# Altium PCB MC21R01.PcbDoc (part 2 of 5)
Units mm, origin at the board's own origin, x right, y up, seen from the top; angles counter-clockwise.
Board outline 100 x 50 mm, 8 copper layers (Top Layer, Layer 2, Layer 3, Layer 4, Layer 5, Layer 6, Layer 7, Bottom Layer), stack 1.724 mm thick; 414 components, 332 nets, 1863 pads, 665 vias.
Unrouted connection lines stored in the file: 196.
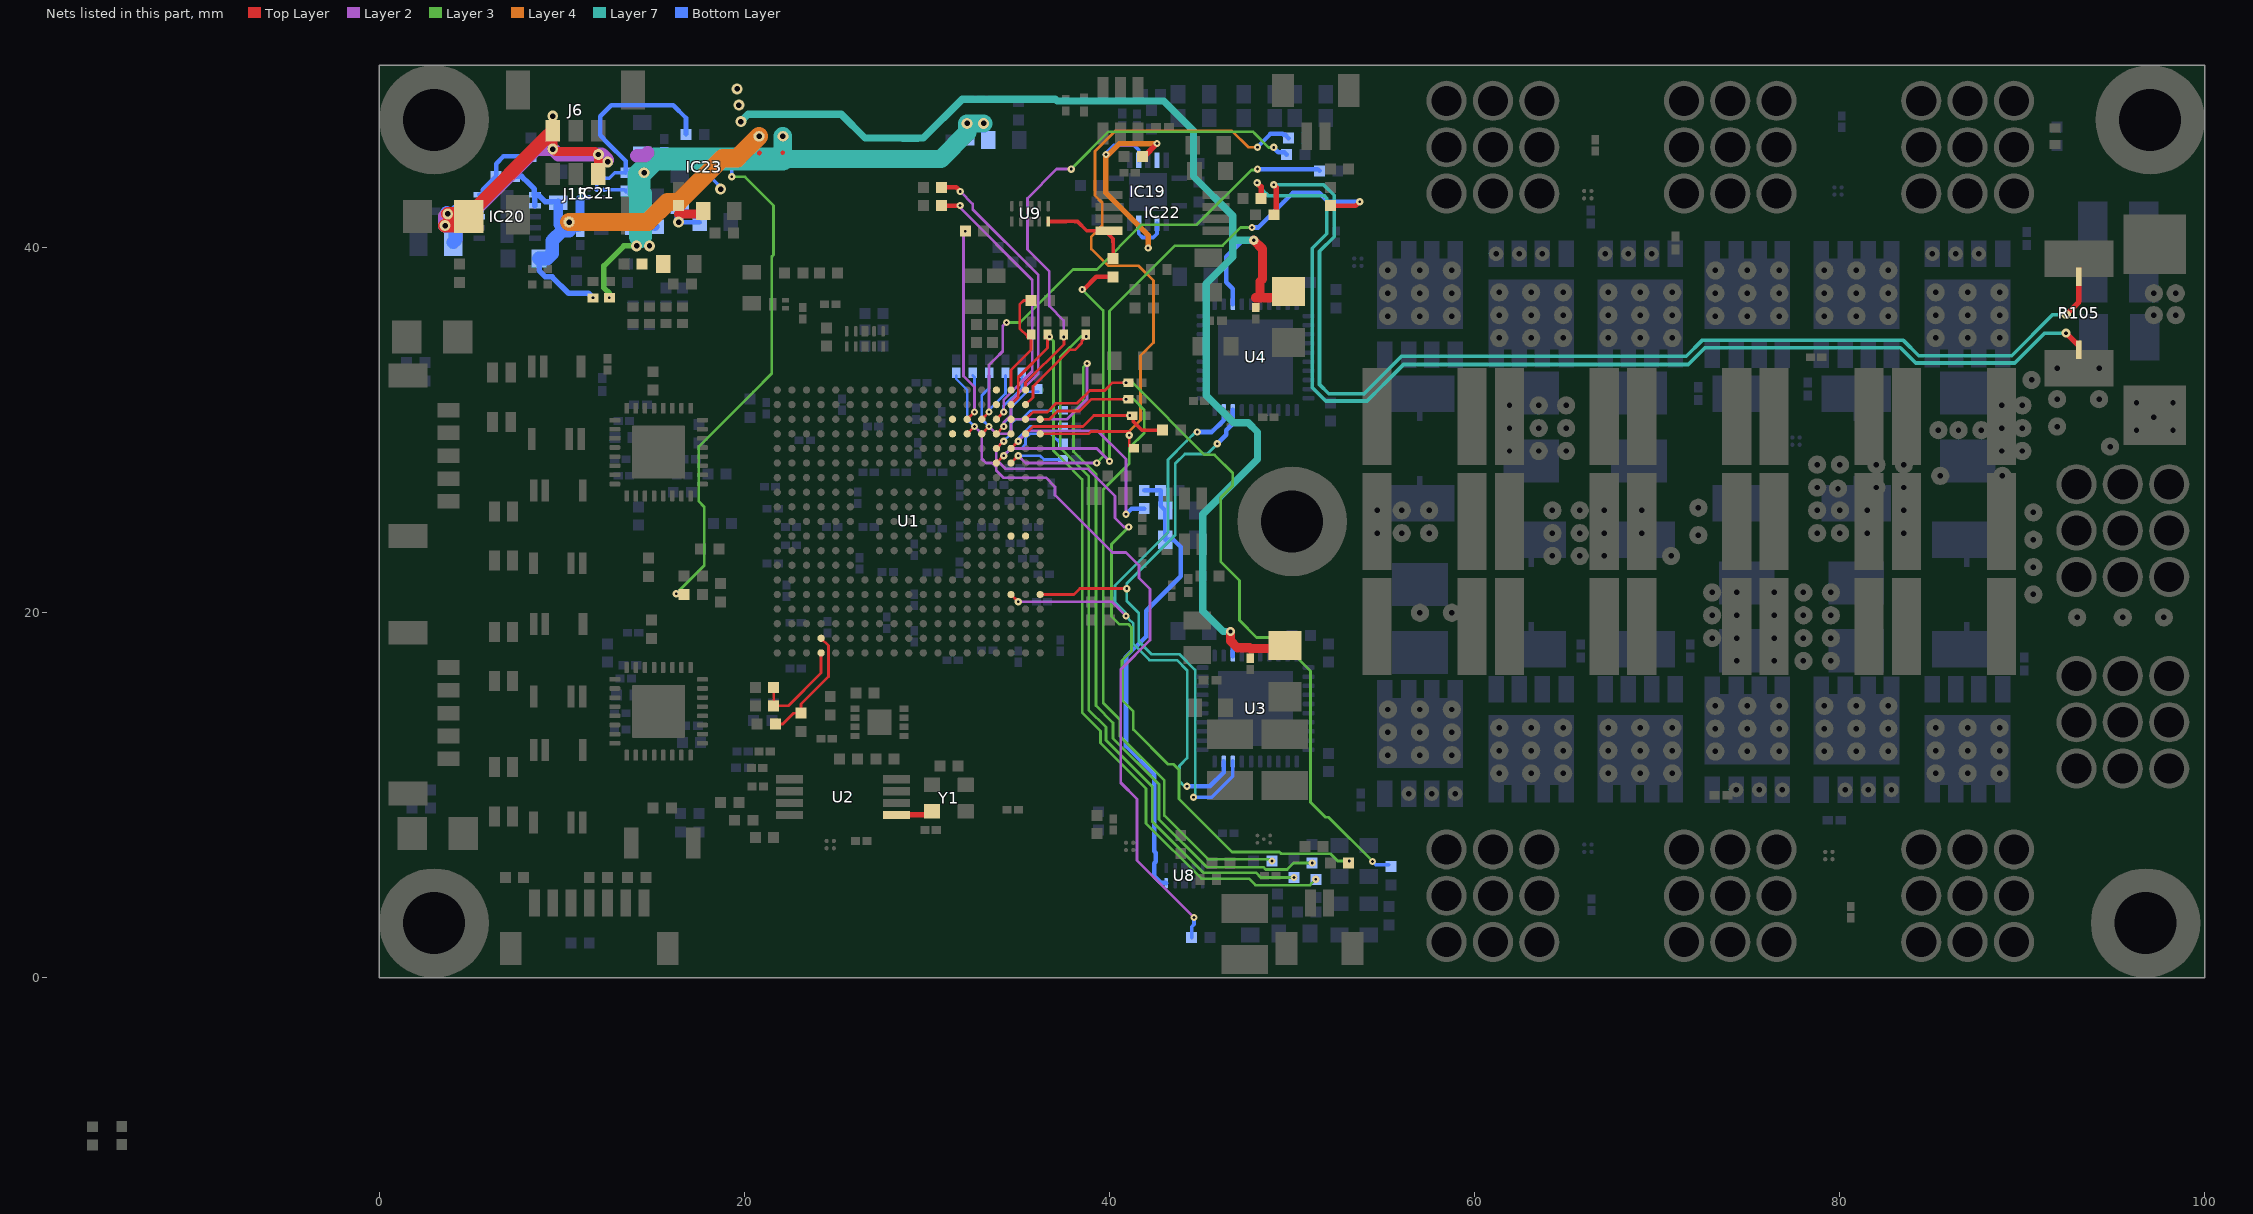
[diagram p8: the nets of this part, all layers, seen from the top]

## Footprints (in the part's own frame and the unit in brackets; to place one, negate y for a bottom-side part, rotate by r counter-clockwise, add the part's x,y. Pads: shape width x height; smd on the part's side, far side on the other; paste and mask are expansions set on the pad) (continued)
"OPA4330 RGY" [mm] "PQFN, 14-Leads, Body 3,50x3,50mm, Pitch 0,50mm/1,50mm, Thermal Pad 2,08x2,08mm, IPC Medium Density"
  rect 0.85x0.3 smd: 1(-1.725,-0.75) 7(1.725,-0.75) 8(1.725,0.75) 14(-1.725,0.75)
  rect 0.3x0.85 smd: 2(-1,-1.725) 3(-0.5,-1.725) 4(0,-1.725) 5(0.5,-1.725) 6(1,-1.725) 9(1,1.725) 10(0.5,1.725) 11(0,1.725) 12(-0.5,1.725) 13(-1,1.725)
  rect 2.08x2.08 smd: 15(0,0)
  silkscreen extent -2.6,-1.83 1.82,1.83, body extent -1.83,-1.83 1.83,1.83, height 1
PQFN50P300X200X50_HS-9N [mm] "PQFN, 8-Leads, Body 3,00x2,00mm, Pitch 0,50mm, Thermal Pad 1,30x1,40mm, IPC Medium Density"
  rect 0.5x0.35 smd: 1(-1.35,0.75) 2(-1.35,0.25) 3(-1.35,-0.25) 4(-1.35,-0.75) 5(1.35,-0.75) 6(1.35,-0.25) 7(1.35,0.25) 8(1.35,0.75)
  rect 1.3x1.4 smd: 9(0,0)
  silkscreen extent -1.32,1.22 -1.22,1.32, body extent -1.53,-1.02 1.53,1.03, height 0.5
QFN50P600X600X80_HS-41N [mm] "QFN, 40-Leads, Body 6,00x6,00mm, Pitch 0,50mm, Thermal Pad 4,10x4,10mm, IPC Medium Density"
  rrect50% 0.65x0.25 smd: 1(-2.9,2.25) 2(-2.9,1.75) 3(-2.9,1.25) 4(-2.9,0.75) 5(-2.9,0.25) 6(-2.9,-0.25) 7(-2.9,-0.75) 8(-2.9,-1.25) 9(-2.9,-1.75) 10(-2.9,-2.25) 21(2.9,-2.25) 22(2.9,-1.75) 23(2.9,-1.25) 24(2.9,-0.75) 25(2.9,-0.25) 26(2.9,0.25) 27(2.9,0.75) 28(2.9,1.25) 29(2.9,1.75) 30(2.9,2.25)
  rrect50% 0.25x0.65 smd: 11(-2.25,-2.9) 12(-1.75,-2.9) 13(-1.25,-2.9) 14(-0.75,-2.9) 15(-0.25,-2.9) 16(0.25,-2.9) 17(0.75,-2.9) 18(1.25,-2.9) 19(1.75,-2.9) 20(2.25,-2.9) 31(2.25,2.9) 32(1.75,2.9) 33(1.25,2.9) 34(0.75,2.9) 35(0.25,2.9) 36(-0.25,2.9) 37(-0.75,2.9) 38(-1.25,2.9) 39(-1.75,2.9) 40(-2.25,2.9)
  rect 4.1x4.1 smd: 41(0,0)
  silkscreen extent -4,-3.22 3.22,3.22, body extent -3.09,-3.09 3.09,3.09, height 0.8
RHB0032B [mm]
  rrect40% 0.6x0.25 smd: 1(-2.4,1.75) 2(-2.4,1.25) 3(-2.4,0.75) 4(-2.4,0.25) 5(-2.4,-0.25) 6(-2.4,-0.75) 7(-2.4,-1.25) 8(-2.4,-1.75) 17(2.4,-1.75) 18(2.4,-1.25) 19(2.4,-0.75) 20(2.4,-0.25) 21(2.4,0.25) 22(2.4,0.75) 23(2.4,1.25) 24(2.4,1.75)
  rrect40% 0.25x0.6 smd: 9(-1.75,-2.4) 10(-1.25,-2.4) 11(-0.75,-2.4) 12(-0.25,-2.4) 13(0.25,-2.4) 14(0.75,-2.4) 15(1.25,-2.4) 16(1.75,-2.4) 25(1.75,2.4) 26(1.25,2.4) 27(0.75,2.4) 28(0.25,2.4) 29(-0.25,2.4) 30(-0.75,2.4) 31(-1.25,2.4) 32(-1.75,2.4)
  rrect50% 1.27x1.27 on Top Paste: 33(-0.735,-0.735) 33(-0.735,0.735) 33(0.735,-0.735) 33(0.735,0.735)
  rrect3% 2.9x2.9 smd paste-1.725: 33(0,0)
  silkscreen extent -2.73,-2.73 2.73,2.73, body extent -2.57,-2.57 2.58,2.58, height 1.01
SOP65P640X120-8N [mm]
  rect 1.475x0.45 smd: 1(-2.938,0.975) 2(-2.938,0.325) 3(-2.938,-0.325) 4(-2.938,-0.975) 5(2.938,-0.975) 6(2.938,-0.325) 7(2.938,0.325) 8(2.938,0.975)
  silkscreen extent -3.67,-1.5 1.85,1.55, body extent -3.2,-1.5 3.2,1.5, height 1.2
SOT95P280X145-6N [mm]
  rect 1.2x0.6 smd: 1(-1.25,0.95) 2(-1.25,0) 3(-1.25,-0.95) 4(1.25,-0.95) 5(1.25,0) 6(1.25,0.95)
  silkscreen extent -1.85,-1.45 0.3,1.6, body extent -1.4,-1.45 1.4,1.45, height 1.45
SOT883B [mm]
  rect 0.4x0.25 smd: 1(-0.35,0.225) 2(-0.35,-0.225)
  rect 0.4x0.7 smd: 3(0.35,0)
  silkscreen extent -0.45,0.7 -0.38,0.77, body extent -0.65,-0.45 0.65,0.45, height 0.5
TMP144YFFT [mm]
  round 0.23 smd: A1(-0.2,0.2) A2(0.2,0.2) B1(-0.2,-0.2) B2(0.2,-0.2)
  silkscreen extent -0.75,-0.48 0.4,0.48, body extent -0.38,-0.48 0.38,0.48, height 0.72
WE_7461094 [mm] "9 pins, screw"
  round 2.2 hole 1.65: 1(-2.54,-2.54) 1(-2.54,0) 1(-2.54,2.54) 1(0,2.54) 1(0,0) 1(0,-2.54) 1(2.54,-2.54) 1(2.54,0) 1(2.54,2.54)
  silkscreen extent -3.5,-3.5 3.5,3.5, body extent -3.5,-13.03 3.5,3.5, height 7.53
ZWT0337A [mm] "BGA, 337-Leads, Body 16x16mmx1.4mm, Pitch 0.80mm"
  round 0.4 smd: A1(-7.2,7.2) A2(-6.4,7.2) A3(-5.6,7.2) A4(-4.8,7.2) A5(-4,7.2) A6(-3.2,7.2) A7(-2.4,7.2) A8(-1.6,7.2) A9(-0.8,7.2) A10(0,7.2) A11(0.8,7.2) A12(1.6,7.2) A13(2.4,7.2) A14(3.2,7.2) A15(4,7.2) A16(4.8,7.2) A17(5.6,7.2) A18(6.4,7.2) A19(7.2,7.2) B1(-7.2,6.4) B2(-6.4,6.4) B3(-5.6,6.4) B4(-4.8,6.4) B5(-4,6.4) B6(-3.2,6.4) B7(-2.4,6.4) B8(-1.6,6.4) B9(-0.8,6.4) B10(0,6.4) B11(0.8,6.4) B12(1.6,6.4) B13(2.4,6.4) B14(3.2,6.4) B15(4,6.4) B16(4.8,6.4) B17(5.6,6.4) B18(6.4,6.4) B19(7.2,6.4) C1(-7.2,5.6) C2(-6.4,5.6) C3(-5.6,5.6) C4(-4.8,5.6) C5(-4,5.6) C6(-3.2,5.6) C7(-2.4,5.6) C8(-1.6,5.6) C9(-0.8,5.6) C10(0,5.6) C11(0.8,5.6) C12(1.6,5.6) C13(2.4,5.6) C14(3.2,5.6) C15(4,5.6) C16(4.8,5.6) C17(5.6,5.6) C18(6.4,5.6) C19(7.2,5.6) D1(-7.2,4.8) D2(-6.4,4.8) D3(-5.6,4.8) D4(-4.8,4.8) D5(-4,4.8) D6(-3.2,4.8) D7(-2.4,4.8) D8(-1.6,4.8) D9(-0.8,4.8) D10(0,4.8) D11(0.8,4.8) D12(1.6,4.8) D13(2.4,4.8) D14(3.2,4.8) D15(4,4.8) D16(4.8,4.8) D17(5.6,4.8) D18(6.4,4.8) D19(7.2,4.8) E1(-7.2,4) E2(-6.4,4) E3(-5.6,4) E4(-4.8,4) E5(-4,4) E6(-3.2,4) E7(-2.4,4) E8(-1.6,4) E9(-0.8,4) E10(0,4) E11(0.8,4) E12(1.6,4) E13(2.4,4) E14(3.2,4) E15(4,4) E16(4.8,4) E17(5.6,4) E18(6.4,4) E19(7.2,4) F1(-7.2,3.2) F2(-6.4,3.2) F3(-5.6,3.2) F4(-4.8,3.2) F5(-4,3.2) F6(-3.2,3.2) F7(-2.4,3.2) F8(-1.6,3.2) F9(-0.8,3.2) F10(0,3.2) F11(0.8,3.2) F12(1.6,3.2) F13(2.4,3.2) F14(3.2,3.2) F15(4,3.2) F16(4.8,3.2) F17(5.6,3.2) F18(6.4,3.2) F19(7.2,3.2) G1(-7.2,2.4) G2(-6.4,2.4) G3(-5.6,2.4) G4(-4.8,2.4) G5(-4,2.4) G6(-3.2,2.4) G14(3.2,2.4) G15(4,2.4) G16(4.8,2.4) G17(5.6,2.4) G18(6.4,2.4) G19(7.2,2.4) H1(-7.2,1.6) H2(-6.4,1.6) H3(-5.6,1.6) H4(-4.8,1.6) H5(-4,1.6) H6(-3.2,1.6) H8(-1.6,1.6) H9(-0.8,1.6) H10(0,1.6) H11(0.8,1.6) H12(1.6,1.6) H14(3.2,1.6) H15(4,1.6) H16(4.8,1.6) H17(5.6,1.6) H18(6.4,1.6) H19(7.2,1.6) J1(-7.2,0.8) J2(-6.4,0.8) J3(-5.6,0.8) J4(-4.8,0.8) J5(-4,0.8) J6(-3.2,0.8) J8(-1.6,0.8) J9(-0.8,0.8) J10(0,0.8) J11(0.8,0.8) J12(1.6,0.8) J14(3.2,0.8) J15(4,0.8) J16(4.8,0.8) J17(5.6,0.8) J18(6.4,0.8) J19(7.2,0.8) K1(-7.2,0) K2(-6.4,0) K3(-5.6,0) K4(-4.8,0) K5(-4,0) K6(-3.2,0) K8(-1.6,0) K9(-0.8,0) K10(0,0) K11(0.8,0) K12(1.6,0) K14(3.2,0) K15(4,0) K16(4.8,0) K17(5.6,0) K18(6.4,0) K19(7.2,0) L1(-7.2,-0.8) L2(-6.4,-0.8) L3(-5.6,-0.8) L4(-4.8,-0.8) L5(-4,-0.8) L6(-3.2,-0.8) L8(-1.6,-0.8) L9(-0.8,-0.8) L10(0,-0.8) L11(0.8,-0.8) L12(1.6,-0.8) L14(3.2,-0.8) L15(4,-0.8) L16(4.8,-0.8) L17(5.6,-0.8) L18(6.4,-0.8) L19(7.2,-0.8) M1(-7.2,-1.6) M2(-6.4,-1.6) M3(-5.6,-1.6) M4(-4.8,-1.6) M5(-4,-1.6) M6(-3.2,-1.6) M8(-1.6,-1.6) M9(-0.8,-1.6) M10(0,-1.6) M11(0.8,-1.6) M12(1.6,-1.6) M14(3.2,-1.6) M15(4,-1.6) M16(4.8,-1.6) M17(5.6,-1.6) M18(6.4,-1.6) M19(7.2,-1.6) N1(-7.2,-2.4) N2(-6.4,-2.4) N3(-5.6,-2.4) N4(-4.8,-2.4) N5(-4,-2.4) N6(-3.2,-2.4) N14(3.2,-2.4) N15(4,-2.4) N16(4.8,-2.4) N17(5.6,-2.4) N18(6.4,-2.4) N19(7.2,-2.4) P1(-7.2,-3.2) P2(-6.4,-3.2) P3(-5.6,-3.2) P4(-4.8,-3.2) P5(-4,-3.2) P6(-3.2,-3.2) P7(-2.4,-3.2) P8(-1.6,-3.2) P9(-0.8,-3.2) P10(0,-3.2) P11(0.8,-3.2) P12(1.6,-3.2) P13(2.4,-3.2) P14(3.2,-3.2) P15(4,-3.2) P16(4.8,-3.2) P17(5.6,-3.2) P18(6.4,-3.2) P19(7.2,-3.2) R1(-7.2,-4) R2(-6.4,-4) R3(-5.6,-4) R4(-4.8,-4) R5(-4,-4) R6(-3.2,-4) R7(-2.4,-4) R8(-1.6,-4) R9(-0.8,-4) R10(0,-4) R11(0.8,-4) R12(1.6,-4) R13(2.4,-4) R14(3.2,-4) R15(4,-4) R16(4.8,-4) R17(5.6,-4) R18(6.4,-4) R19(7.2,-4) T1(-7.2,-4.8) T2(-6.4,-4.8) T3(-5.6,-4.8) T4(-4.8,-4.8) T5(-4,-4.8) T6(-3.2,-4.8) T7(-2.4,-4.8) T8(-1.6,-4.8) T9(-0.8,-4.8) T10(0,-4.8) T11(0.8,-4.8) T12(1.6,-4.8) T13(2.4,-4.8) T14(3.2,-4.8) T15(4,-4.8) T16(4.8,-4.8) T17(5.6,-4.8) T18(6.4,-4.8) T19(7.2,-4.8) U1(-7.2,-5.6) U2(-6.4,-5.6) U3(-5.6,-5.6) U4(-4.8,-5.6) U5(-4,-5.6) U6(-3.2,-5.6) U7(-2.4,-5.6) U8(-1.6,-5.6) U9(-0.8,-5.6) U10(0,-5.6) U11(0.8,-5.6) U12(1.6,-5.6) U13(2.4,-5.6) U14(3.2,-5.6) U15(4,-5.6) U16(4.8,-5.6) U17(5.6,-5.6) U18(6.4,-5.6) U19(7.2,-5.6) V1(-7.2,-6.4) V2(-6.4,-6.4) V3(-5.6,-6.4) V4(-4.8,-6.4) V5(-4,-6.4) V6(-3.2,-6.4) V7(-2.4,-6.4) V8(-1.6,-6.4) V9(-0.8,-6.4) V10(0,-6.4) V11(0.8,-6.4) V12(1.6,-6.4) V13(2.4,-6.4) V14(3.2,-6.4) V15(4,-6.4) V16(4.8,-6.4) V17(5.6,-6.4) V18(6.4,-6.4) V19(7.2,-6.4) W1(-7.2,-7.2) W2(-6.4,-7.2) W3(-5.6,-7.2) W4(-4.8,-7.2) W5(-4,-7.2) W6(-3.2,-7.2) W7(-2.4,-7.2) W8(-1.6,-7.2) W9(-0.8,-7.2) W10(0,-7.2) W11(0.8,-7.2) W12(1.6,-7.2) W13(2.4,-7.2) W14(3.2,-7.2) W15(4,-7.2) W16(4.8,-7.2) W17(5.6,-7.2) W18(6.4,-7.2) W19(7.2,-7.2)
  silkscreen extent -8.15,-8.15 8.15,8.15, body extent -8,-8 8,8, height 1.34

## Part data
*1: "PicoClasp 07 pin vertical", Supplier Part Number 1=WM7884TR-ND, Supplier 1=Digi-Key
C1 C2 C3 C7 C26 C27 C30 C49 C50 C51 C52 C53 C54 C57 C58 C59 C60 C63 C65 C69 C73 C77 C80 C81 C82 C83 C84 C85 C86 C87 C88 C96 C98 C101 C103 C108 C109 C117 C122 C123 C132 C140 C141 C142 C143 C144 C145 C146 C147 C148 C149 C150 C151 C152 C153 C154 C155 C156 C157 C158 C159 C160 C161 C162 C163 C164 C167 C177 C178 C179 C180 C181 C182 C183 C184 C185 C186 C187 C188 C189 C190 C191 C192 C193 C194 C195: library part CMP-001-00061-1, "100nF/25V 0201 10% Tolerance X6S Multilayer Ceramic Chip Capacitor", Capacitance=100nF, Case Code (Imperial)=0201, Case Code (Metric)=0603, Dielectric=X6S, Max Operating Temperature=105°C, Min Operating Temperature=-55°C, Package Quantity=15000, Tolerance=10%, Voltage Rating=25V, Case/Package=0201, Height=0.3mm, Length=0.024inch, Mount="Surface Mount", Packaging="Tape and Reel", Populated=Yes, Provided by customer=No, Termination=SMD/SMT, Thickness=0.013inch, Voltage Rating (DC)=25V, Weight=1.2E-05oz, Width=0.3mm
C4 C64 C68 C72 C76 C196: "10nF/10V 0402 20% Tolerance X5R Multilayer Ceramic Chip Capacitor", Manufacturer 1=KEMET, Manufacturer Part Number 1=C0402C103K8PACTU, Supplier Part Number 1=2773069, Supplier 1=Farnell
C5 C28: "1 uF 100 V 0805  ±10% Tolerance X7R Multilayer Ceramic Chip Capacitor", Manufacturer 1=AVX, Manufacturer Part Number 1=08051C105K4T2A, Supplier Part Number 1=2834935, Supplier 1=Farnell, Supplier 2=Mouser, Supplier Part Number 2=581-08051C105K4T2A
C6 C29: library part "10uF/50V 1206 20% X5R", "10 uF 50 V 1206 ±20% Tolerance X5R Multilayer Ceramic Chip Capacitor", Manufacturer 1=Samsung, Manufacturer Part Number 1=CL31A106MBHNNNE, Supplier Part Number 1=1276-6736-1-ND, Supplier 1=Digi-key
C8 C31: library part "47nF/100V 0603 10% X7R_1", "47 nF 100 V 0603 ±10% Tolerance X7R Multilayer Ceramic Chip Capacitor", Manufacturer 1=KEMET, Manufacturer Part Number 1=C0603C473K1RACTU, Supplier Part Number 1=1865550, Supplier 1=Farnell
C9 C32 C197 C200 C203 C206: "2.2 uF 100 V 1210  ±10% Tolerance X7R Multilayer Ceramic Chip Capacitor", Manufacturer 1=KEMET, Manufacturer Part Number 1=C1210C225K1RACTU, Supplier Part Number 1=1793832, Supplier 1=Farnell
C10 C11 C33 C34 C198 C199 C201 C202 C204 C205 C207 C208 C209 C210 C211: "22 uF 100 V 2220 ±20% Tolerance X7S Multilayer Ceramic Chip Capacitor", Manufacturer 1=TDK, Manufacturer Part Number 1=CKG57NX7S2A226M500JH, Supplier Part Number 1=2210742, Supplier 1=Farnell
C12 C35: "1uF/10V 0603 10% Tolerance X7R Multilayer Ceramic Chip Capacitor", Manufacturer 1="TAIYO YUDEN", Manufacturer Part Number 1=LMK107B7105KA-T, Supplier Part Number 1=2112849, Supplier 1=Farnell
C13 C14 C15 C16 C17 C18 C36 C37 C38 C39 C40 C41 C104 C105 C106 C107 C110 C111 C112 C113 C114 C115 C124 C125 C126 C127 C128 C129 C130 C131: library part CMP-06035-000256-1, "2200pF/50V 0201 10% Tolerance X7R Multilayer Ceramic Chip Capacitor", Capacitance=2.2nF, Case Code (Imperial)=0201, Case Code (Metric)=0603, Dielectric=X7R, Max Operating Temperature=125°C, Min Operating Temperature=-55°C, Package Quantity=15000, Resistor Type=Ceramic, Tolerance=10%, Voltage Rating=25V, Case/Package=0201, Depth=0.3mm, Height=0.3mm, Length=0.6mm, Mount="Surface Mount", Packaging="Tape and Reel", Termination=SMD/SMT, Thickness=0.013inch, Voltage Rating (DC)=25V, Weight=1.2E-05oz, Width=0.012inch
C19 C20 C21 C42 C43 C44 C170: "47nF/16V 0402 10% Tolerance X7R Multilayer Ceramic Chip Capacitor", Manufacturer 1=Walsin, Manufacturer Part Number 1=0402B473J160CT, Supplier Part Number 1=2524710, Supplier 1=Farnell
C22 C23 C24 C45 C46 C47: library part "1000pF/16V 0402 10% X7R_1", "1000pF/16V 0402 10% Tolerance X7R Multilayer Ceramic Chip Capacitor", Manufacturer 1=KEMET, Manufacturer Part Number 1=C0402C102K4RACTU, Supplier Part Number 1=2522378, Supplier 1=Farnell
C25 C48 C66 C70 C71 C74 C78 C79 C97 C99 C100 C102 C116 C172 C175: library part CMP-13271-003873-1, "1uF/6.3V 0201 10% Tolerance X5R Multilayer Ceramic Chip Capacitor", Capacitance=1uF, Case Code (Imperial)=0201, Case Code (Metric)=0603, Dielectric=X5R, Max Operating Temperature=85°C, Min Operating Temperature=-55°C, Package Quantity=1, Tolerance=20%, Voltage Rating=6.3V, Case/Package=0201, Depth=0.3mm, Lead Free="Lead Free", Length=0.024inch, Mount="Surface Mount", Packaging="Tape and Reel", Thickness=0.013inch, Width=0.012inch
C55 C61: library part "1000pF/2KV 1206 10% X7R", "1000 pF 2 KV 1206  ±10% Tolerance X7R Multilayer Ceramic Chip Capacitor", Manufacturer 1=Kemet, Manufacturer Part Number 1=C1206C102KGRACTU, Supplier Part Number 1=1572651, Supplier 1=Farnell
C56 C62: "2200pF/100V 0402 10% Tolerance X7S Multilayer Ceramic Chip Capacitor", Manufacturer 1=TDK, Manufacturer Part Number 1=C1005X7S2A222K050BB, Supplier Part Number 1=2906779, Supplier 1=Farnell
C67 C75 C138 C139: "10uF/6.3V 0402 20% Tolerance X5R Multilayer Ceramic Chip Capacitor", Manufacturer 1=KEMET, Manufacturer Part Number 1=C0402C106M9PACTU, Supplier Part Number 1=2507061, Supplier 1=Farnell
C118 C119 C120 C121 C168 C173 C176: "22 uF 10 V 0603 ±20% Tolerance X5R Multilayer Ceramic Chip Capacitor", Manufacturer 1=Murata, Manufacturer Part Number 1=GRM188R60J106KE47D, Supplier Part Number 1=2426957, Supplier 1=Farnell
C134 C135 C136 C137: library part "2.2uF/6.3V 0402 10% X5R_1", "2.2uF/6.3V 0402 10% Tolerance X5R Multilayer Ceramic Chip Capacitor", Manufacturer 1=KEMET, Manufacturer Part Number 1=C0402C225K9PACTU, Supplier Part Number 1=2442787, Supplier 1=Farnell
C165: library part "10uF/50V 1206 10% X5R", "10 uF 50 V 1206 ±10% Tolerance X5R Multilayer Ceramic Chip Capacitor", Manufacturer 1=TDK, Manufacturer Part Number 1=CGA5L3X5R1H106K160AB, Supplier Part Number 1=2211092, Supplier 1=Farnell
C166: library part "4.7uF/50V 0805 10% X5R", "4.7uF 50 V 0805 ±10% Tolerance X5R Multilayer Ceramic Chip Capacitor", Manufacturer 1=TDK, Manufacturer Part Number 1=C2012X5R1H475K125AB, Supplier Part Number 1=2346932, Supplier 1=Farnell
C171 C174: "4.7uF/16V 0603 10% Tolerance X5R Multilayer Ceramic Chip Capacitor", Manufacturer 1="TAIYO YUDEN", Manufacturer Part Number 1=EMK107B7105KA-T, Supplier Part Number 1=2211173, Supplier 1=Farnell, Supplier 2=Mouser, Supplier 3=Digi-Key, Supplier Part Number 2=810-C1608X5R1C475KAC, Supplier Part Number 3=445-7478-1-ND
C*1 C*2: "PicoClasp 02 pin vertical", Supplier Part Number 1=1835976, Supplier 1=Farnell
D1 D2 D5: library part LED_0402_Red, "Low Profile Chip LED, Red", Manufacturer=ROHM, Manufacturer Part Number=SML-P11UTT86R, Supplier Part Number 1=2507545, Supplier 1=Farnell
D3 D4 D6 D7 D8 D9: library part LED_0402_green, "Low Profile Chip LED, Green", Manufacturer=ROHM, Manufacturer Part Number=SML-P11MTT86R, Supplier Part Number 1=2507544, Supplier 1=Farnell
D10: library part LRTB_R48G, "RGB LED, SMD 1x1mm common anode", Manufacturer=OSRAM, Manufacturer Part Number="LRTB R48G", Supplier Part Number 1=2981676, Created by=AMP, Datasheet Link=https://dammedia.osram.info/media/resource/hires/osram-dam-4307982/LRTB%20R48G.pdf, Height=0.65mm, Published=24-08-2020, Supplier 1=Farnell
EEPROM1: "CAT24C16 Series 16 Kb (2K x 8) 400 kHz I2C CMOS Serial EEPROM - UDFN-8EP", Manufacturer="ON Semi", Supplier Part Number 1=863-CAT24C16HU4I-GT3, Created by=AMP, Manufacturer Part Number="CAT24C16 Series 16 Kb (2K x 8) 400 kHz I2C CMOS Serial EEPROM - UDFN-8EP", Published=20-08-2020, Supplier 1=Mouser
F1: "LITTELFUSE - 0463030.ER - 100VDC 30A FUSE SMD", Supplier Part Number 1=2786390, Supplier 1=Farnell
IC1 IC2 IC3 IC4 IC5 IC6 IC7 IC8: "Integrated Circuit", Manufacturer_Name="Texas Instruments", Mouser Part Number=595-TMP144YFFT, Datasheet Link=http://www.ti.com/lit/ds/symlink/tmp144.pdf, Height=0.625mm, Manufacturer_Part_Number=TMP144YFFT, Mouser Price/Stock=https://www.mouser.com/Search/Refine.aspx?Keyword=595-TMP144YFFT
IC17 IC18: "1 Channel op amp  0.25-μV/°C, 35-μA CMOS Operational Amplifiers Zero-Drift", Manufacturer_Name="Texas Instruments", RS Part Number=8122619P, Supplier Part Number 1=595-OPA330AIYFFT, Datasheet Link=http://www.ti.com/lit/gpn/opa330, Height=1.45mm, Manufacturer_Part_Number=OPA330AIYFFT, Mouser Price/Stock=https://www.mouser.co.uk/ProductDetail/Texas-Instruments/OPA330AIDBVT?qs=DS7Z8uEdLNxVoZWMB%2FsKAQ%3D%3D, RS Price/Stock=http://uk.rs-online.com/web/p/products/8122619P, Supplier 1=Mouser
IC19: "4 Channel op amp  0.25-μV/°C, 35-μA CMOS Operational Amplifiers Zero-Drift", Manufacturer_Name="Texas Instruments", Manufacturer_Part_Number=OPA4330AIDR, Supplier Part Number 1=595-OPA4330AIRGYT, Datasheet Link=http://www.ti.com/lit/gpn/opa4330, Height=1.75mm, Mouser Price/Stock=https://www.mouser.co.uk/ProductDetail/Texas-Instruments/OPA4330AIDR?qs=EuM%2FBx4ov4R6DjwOW%252BMW9A%3D%3D, Supplier 1=Mouser
IC20: "5V 1A Step-down regulator. 4V to 36V input, 5V fixed output", Manufacturer_Name="Texas Instruments", Supplier Part Number 1=595-LMZM23601V5SILR, Datasheet Link=http://www.ti.com/lit/gpn/lmzm23601, Height=1mm, Manufacturer_Part_Number=LMZM23601V5SILR, Supplier 1=Mouser
IC21: "3.3V 3A Step-Down converter", Manufacturer_Name="Texas Instruments", Supplier Part Number 1=595-TPS6208833YFPT, Datasheet Link=http://www.ti.com/lit/gpn/tps62088, Height=0.5mm, Manufacturer_Part_Number=TPS6208833YFPT, Supplier 1=Mouser
IC22: "20V/V current sense amplifier", Manufacturer_Name="Texas Instruments", Supplier Part Number 1=595-INA240A1PW, Datasheet Link=http://www.ti.com/general/docs/lit/getliterature.tsp?genericPartNumber=ina240&fileType=pdf, Height=1.2mm, Manufacturer_Part_Number=INA240A1PW, Supplier 1=Mouser
IC23: "1.2V 3A Step-Down converter", Manufacturer_Name="Texas Instruments", Supplier Part Number 1=595-TPS6208812YFPT, Datasheet Link=http://www.ti.com/lit/gpn/tps62088, Height=0.5mm, Manufacturer_Part_Number=TPS6208812YFPT, Supplier 1=Mouser
J4 J5 J7 J8 J9 J10 J11 J12: "REDCUBE PRESS-FIT with external thread and full plain pin-plate WPSHFU, 130A, M3 screw, 9pins", Manufacturer="WURTH ELEKTRONIK", Manufacturer Part Number=7461094, Supplier Part Number 1=1821284, Created by="Yaiza Montes", Published=29/05/20, Supplier 1=Farnell, Supplier 2=Mouser, Supplier 3=Digi-Key, Supplier Part Number 2=710-7461094, Supplier Part Number 3=732-3212-ND
J6 J15: "1.25mm Pitch, Micro-Lock Plus PCB Header, Single Row, Vertical, Surface Mount, Gold Plating, Positive Lock, 3 Circuits, Tape and Reel, Black", Manufacturer=Molex, Manufacturer Part Number=5055680381, Mating Part Number="Molex 5055650301", Supplier Part Number 1=538-505568-0381, Created by="Yaiza Montes", Crimp="Molex 5054311100", Published=20/07/2020, Supplier 1=Mouser
J13 J14: "1.25mm Pitch, Micro-Lock Plus PCB Header, Single Row, Vertical, Surface Mount, Gold Plating, Positive Lock, 5 Circuits, Tape and Reel, Black", Manufacturer=Molex, Manufacturer Part Number=5055680581, Mating Part Number="Molex 5055650501", Supplier Part Number 1=538-505568-0581, Created by=AMP, Crimp="Molex 5054311100", Published=29/05/2020, Supplier 1=Mouser
L1 L2 L3 L4: library part 744232222, "WE-CNSW SMT Common Mode Line Filter, size 1206, 2200Ohm, 0.2A, 50V", DC Resistance max.=1.2Ohm, Insulation Test Voltage=125VAC, Manufacturer="Wurth Elektronik", Operating Temperature="-40 to +125degC", Rated Current=0.2A, Rated Voltage=50V, Supplier Part Number 1=710-744232222, ComponentLink1Description=Manufacturer, ComponentLink1URL=http://www.we-online.de, ComponentLink2Description=Datasheet, ComponentLink2URL=https://www.we-online.com/catalog/datasheet/744232222.pdf, Impedance=2200Ohm, Impedance Test Condition=100MHz, Manufacturer Part Number=744232222, Mounting Technology=SMT, Packaging="Tape and Reel", Published Date="April 2020", Size=1206, Supplier 1=Mouser, Winding Style=bifiliar
L5 L6: library part "FB, 60 ohm, 0603 [1608 Metric], 3 A, 0.04 ohm, ± 25%", "Ferrite Bead, 60 ohm, 0603 [1608 Metric], 3 A, 0.04 ohm, ± 25%", DC Current Rating=3A, DC Resistance Max=0.04R, MPN=742792602, Supplier Part Number 1=1635704, Tolerance=±25%, Impedance=60R@100MHz, MF="Wurth Electronik", Supplier 1=Farnell
L7: library part "FB, 220 ohm, 0603 [1608 Metric], 2 A, 0.05 ohm, ± 25%", "Ferrite Bead, 220 ohm, 0603 [1608 Metric], 2 A, 0.05 ohm, ± 25%", DC Current Rating=2A, DC Resistance Max=0R05, MPN=BLM18EG221SN1D, Supplier Part Number 1=1515716, Tolerance=±25%, Impedance="220R @ 100MHz", MF=MURATA, Supplier 1=Farnell
L8: library part "470nH/3.2A, 0603 , 2.6 A, 0.054 ohm, ± 20%", "Inductor, 470nH, 0603 [1608 Metric], 2.6 A, 0.054 ohm, ± 20%", DC Current Rating=2.6A, DC Resistance Max=0.056R, MPN=DFE18SANR47MG0L, Supplier Part Number 1=81-DFE18SANR47MG0L, Tolerance=±250%, Impedance=470nH, MF=MURATA, Supplier 1=Mouser
L9: library part "240nH/3.2A, 0603 , 3 A, 0.036 ohm, ± 20%", "Inductor, 240nH, 0603 [1608 Metric], 3.2 A, 0.036 ohm, ± 20%", DC Current Rating=3.2A, DC Resistance Max=0.04R, MPN=DFE18SANR24ME0L, Supplier Part Number 1=2871416, Tolerance=±250%, Impedance=240nH, MF=MURATA, Supplier 1=Farnell
NT1 NT2 NT3 NT4 NT5 NT6 NT7: "Net Tie starpoint"
Q1 Q2 Q3 Q4 Q5 Q6 Q7 Q8 Q9 Q10 Q11 Q12: "Silicon N-channel MOS (U-MOS-H)", Manufacturer="Toshiba Semicon", Supplier Part Number 1=757-TPW3R70APLL1Q, Manufacturer Order Number=TPW3R70APL, PackageReference="DSOP Advance", Supplier 1=Mouser, Supplier 2=Mouser, Supplier Part Number 2=757-TPW3R70APLL1Q
Q13: "Transistor BJT NPN", Manufacturer_Name=Nexperia, Mouser Part Number=771-BC847BMB315, Arrow Part Number=BC847BMB,315, Arrow Price/Stock=https://www.arrow.com/en/products/bc847bmb315/nexperia, Datasheet Link=https://componentsearchengine.com/Datasheets/1/BC847BMB,315.pdf, Manufacturer_Part_Number=BC847BMB,315, Mouser Price/Stock=https://www.mouser.co.uk/ProductDetail/Nexperia/BC847BMB315?qs=5C9Q4QJFsuN7bUmIcU4LYw%3D%3D
R1 R5 R6 R7 R8 R28 R41 R48 R56 R59 R60 R63 R64 R77 R78 R86 R112: library part "2K2/50V 1% 0402 100mW", "2K2/50V 1% 0402 100mW SMD Resistor", Manufacturer 1=Yageo, Manufacturer Part Number 1=RC0402FR-072K2L, Supplier Part Number 1=9239278, Supplier 1=Farnell
R2 R65 R66 R67 R68 R69 R87: library part "22R/50V 1% 0402 63mW", "22R/50V 1% 0402 63mW SMD Resistor", Manufacturer 1=Vishay, Manufacturer Part Number 1=CRCW040222R0FKED, Supplier Part Number 1=1469697, Supplier 1=Farnell
R3 R4: library part "56k/50V 1% 0402 100mW", "56k/50V 1% 0402 63mW SMD Resistor", Manufacturer 1=Yageo, Manufacturer Part Number 1=RC0402FR-0756KL, Supplier Part Number 1=9239448, Supplier 1=Farnell
R9 R29 R42 R61 R62 R107: library part "4.7K/50V 1% 0402 100mW", "4.7K/50V 1% 0402 100mW SMD Resistor", Manufacturer 1=Vishay, Manufacturer Part Number 1=CRCW04024K70FKED, Supplier Part Number 1=1469712, Supplier 1=Farnell
R10 R12 R13 R15: library part "10R/50V 1% 0402 63mW", "10R/50V 1% 0402 63mW SMD Resistor", Manufacturer 1=Yageo, Manufacturer Part Number 1=RC0402FR-0710RL, Supplier Part Number 1=9238999, Supplier 1=Farnell
R11 R14 R72 R81 R88 R93 R109 R116: library part "0R/50V 1% 0402 100mW", "0R/50V 1% 0402 100mW SMD Resistor", Manufacturer 1=Vishay, Manufacturer Part Number 1=CRCW04020000Z0ED, Supplier Part Number 1=1469661, Supplier 1=Farnell
R16 R27 R40 R50 R58 R121: library part "10K/50V 1% 0402 100mW", "10K/50V 1% 0402 100mW SMD Resistor", Manufacturer 1=Yageo, Manufacturer Part Number 1=RC0402FR-0710KL, Supplier Part Number 1=9239359, Supplier 1=Farnell
R17 R18 R19 R30 R31 R32 R106 R114 R115: library part "390k/150V 1% 0603 250mW", "390k/150V 1% 0603 250mW SMD Resistor", Manufacturer 1=Panasonic, Manufacturer Part Number 1=ERJPA3F3903V, Supplier Part Number 1=2335911, Supplier 1=Farnell
R20 R70 R71: library part "1K/50V 1% 0402 100mW", "1K/50V 1% 0402 100mW SMD Resistor", Manufacturer 1=Yageo, Manufacturer Part Number 1=RC0402FR-071KL, Supplier Part Number 1=603-RC0402FR-071KL, Supplier 1=Mouser, Supplier 2=Farnell, Supplier Part Number 2=9239235
R21 R22 R23 R34 R35 R36 R108: library part "12k/150V 1% 0603 250mW", "12k/150V 1% 0603 250mW SMD Resistor", Manufacturer 1=Panasonic, Manufacturer Part Number 1=ERJPA3F1202V, Supplier Part Number 1=2335844, Supplier 1=Farnell